# Altium PCB galileo_cleaned.PcbDoc (part 2 of 10) (continued)
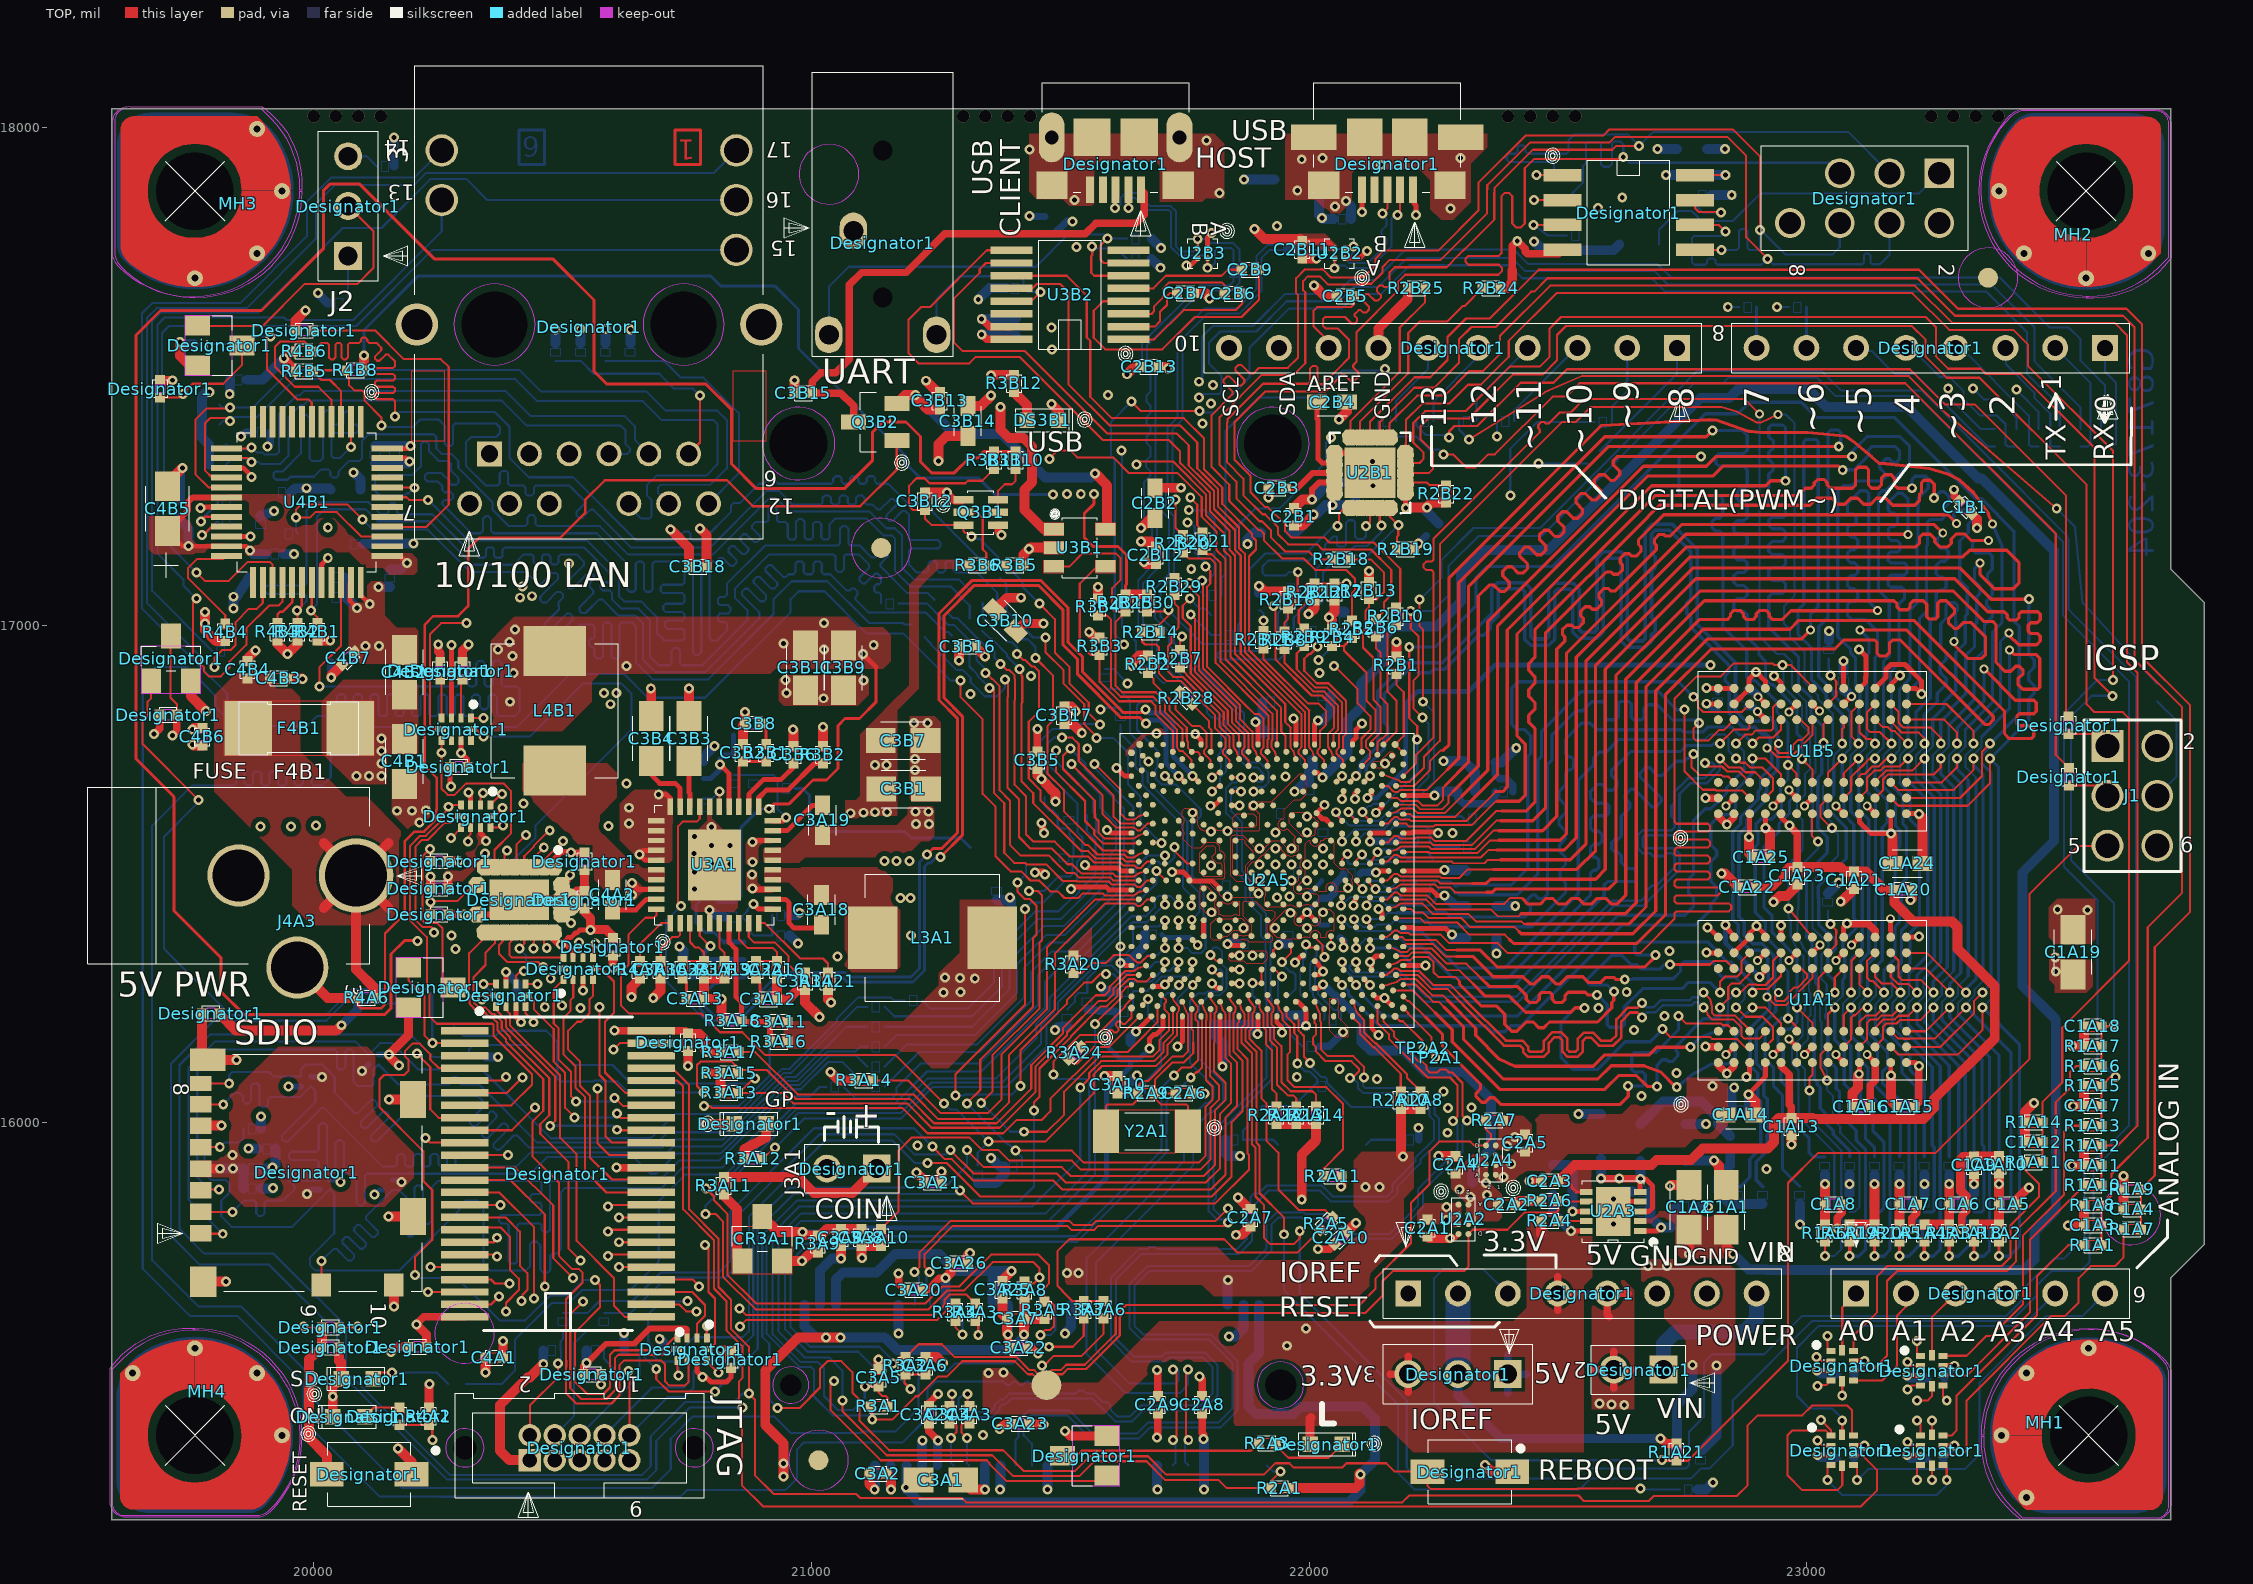
[diagram p0: TOP view]
## Footprints (in the part's own frame and the unit in brackets; to place one, negate y for a bottom-side part, rotate by r counter-clockwise, add the part's x,y. Pads: shape width x height; smd on the part's side, far side on the other; paste and mask are expansions set on the pad) (continued)
  round 60 smd: 1(0,-30) 2(0,30)
  silkscreen extent -28,-30 28,30
SMY2414_2P [mil] "SMY2414_2P"
  round 60 smd: 1(88.68,0) 2(-88.68,0)
  TOP keep-out region: 122.05,72.83 122.05,-72.83 -122.05,-72.83 -122.05,72.83 122.05,72.83
  silkscreen extent -122,-73 122,73
SMY_FC255 [mil] "SMY_FC255"
  rect 52x87 smd: 1(-82.68,0) 2(82.68,0)
  TOP lines w1: 56.68,43.5 56.68,-43.5 -56.68,-43.5 -56.68,43.5 56.68,43.5
  silkscreen extent -150,-37 45,37
SOI8_50IN_213X210 [mil] "SOI8_50IN_213X210"
  rect 76x25 smd: 1(-133,75) 2(-133,25) 3(-133,-25) 4(-133,-75) 5(133,-75) 6(133,-25) 7(133,25) 8(133,75)
  silkscreen extent -168,-105 82,129
SOT23#1 [mil] "SOT23"
  rect 50x40 smd: 1(-45,40) 2(-45,-40) 3(45,0)
  TOP lines w1: -70,60 25,60 25,-60 -70,-60 -70,60
  silkscreen extent -25,-60 25,60
SOT23#2 [mil] "SOT23"
  round 60 smd: 1(45,-40) 2(45,40) 3(-45,0)
  TOP keep-out region: -25,60 -25,-60 70,-60 70,60 -25,60
  silkscreen extent -25,-60 25,60
SOT23#3 [mil] "SOT23"
  rect 50x40 smd: 1(-45,40) 2(-45,-40) 3(45,0)
  TOP keep-out region: 25,-60 25,60 -70,60 -70,-60 25,-60
  silkscreen extent -25,-60 25,60
SOT23_5P [mil] "SOT23_5P"
  rect 40x25 smd: 1(-52,37.5) 2(-52,0) 3(-52,-37.5) 4(52,-37.5) 5(52,37.5)
  Multi-Layer lines w1: -72,-50 -72,-25 -32,-25 -32,-50 -72,-50 ; -72,-12.5 -72,12.5 -32,12.5 -32,-12.5 -72,-12.5 ; -72,25 -72,50 -32,50 -32,25 -72,25 ; 32,-50 32,-25 72,-25 72,-50 32,-50 ; 32,25 32,50 72,50 72,25 32,25
  silkscreen extent -60,-60 35,77
SOT23B [mil] "SOT23B"
  rect 50x30 smd: 1(-43.5,37.5) 2(-43.5,-37.5) 3(43.5,0)
  silkscreen extent -69,-60 30,96
SOT363 [mil] "SOT363"
  rect 40x15 smd: 1(-35,25.6) 2(-35,0) 3(-35,-25.6) 4(35,-25.6) 5(35,0) 6(35,25.6)
  silkscreen extent -90,-44 26,44
SPOKE_N156_CNR_PKG_2_7 [mil] "SPOKE_N156_CNR_PKG_2_7"
  round 40 hole 156: 1(-22.54,-25.06)
  round 32 hole 14: 3(-147.54,99.94) 4(-22.54,149.94) 5(102.46,99.94) 6(152.46,-25.06)
  TOP region: 156 vertices and 0 holes, not listed, extent -172.54,-174.06 170.46,167.94
  TOP keep-out region: -22.54,189.94 -22.54,189.94 -3.8,189.12 14.79,186.67 33.11,182.61 50.99,176.97 68.32,169.79 84.96,161.13 100.78,151.05 115.66,139.64 129.49,126.96 142.16,113.14 153.58,98.25 163.66,82.44 172.32,65.8 179.49,48.47 185.13,30.58 189.19,12.27 191.64,-6.33 192.46,-25.06 192.46,-25.06 191.63,-44.01 189.16,-62.81 185.05,-81.33 179.35,-99.42 172.09,-116.94 163.33,-133.76 153.14,-149.76 141.6,-164.8 131.46,-176.06 131.46,-176.06 128.22,-179.14 124.73,-181.91 121.01,-184.38 117.09,-186.51 113,-188.29 108.77,-189.71 107.46,-190.06 -160.54,-190.06 -160.54,-190.06 -163.34,-189.94 -166.12,-189.58 -168.86,-188.97 -171.53,-188.13 -174.12,-187.05 -176.6,-185.76 -178.97,-184.25 -181.19,-182.55 -183.26,-180.65 -185.15,-178.59 -186.86,-176.36 -188.36,-174 -189.66,-171.51 -190.73,-168.92 -191.57,-166.25 -192.18,-163.51 -192.55,-160.74 -192.67,-157.93 -192.55,-155.13 -192.54,-155.06 -192.54,109.94 -189.54,113.94 -189.54,113.94 -179.03,126.75 -167.43,138.6 -154.86,149.39 -141.38,159.05 -127.12,167.49 -112.18,174.66 -96.66,180.5 -80.7,184.97 -64.41,188.03 -47.91,189.65 -37.54,189.94 -24.54,189.94 -24.54,185.94 -27.54,185.94 -27.54,185.94 -45,185.17 -62.34,182.89 -79.4,179.11 -96.07,173.85 -112.22,167.16 -127.73,159.09 -142.47,149.7 -156.34,139.06 -169.23,127.25 -169.24,127.24 -188.54,107.94 -188.54,-161.06 -188.54,-161.06 -188.44,-163.24 -188.16,-165.41 -187.69,-167.53 -187.03,-169.61 -186.2,-171.63 -185.19,-173.56 -184.02,-175.4 -182.69,-177.13 -181.22,-178.74 -179.61,-180.22 -177.88,-181.54 -176.04,-182.71 -174.11,-183.72 -172.09,-184.56 -170.01,-185.21 -167.88,-185.68 -165.72,-185.97 -163.54,-186.06 106.46,-186.06 112.46,-184.06 112.46,-184.06 115.75,-182.8 118.91,-181.26 121.93,-179.45 124.78,-177.39 127.44,-175.08 127.46,-175.06 127.46,-175.06 139.53,-162.56 150.47,-149.06 160.18,-134.65 168.61,-119.46 175.68,-103.58 181.33,-87.15 185.54,-70.29 188.26,-53.13 189.47,-35.79 189.46,-25.06 189.46,-25.06 188.11,-6.17 185.12,12.53 180.51,30.89 174.31,48.79 166.58,66.08 157.38,82.63 146.76,98.31 134.82,113.01 121.64,126.61 107.33,139.01 91.99,150.12 75.75,159.85 58.71,168.12 41.02,174.88 22.81,180.07 4.21,183.66 -14.62,185.61 -22.54,185.94 -22.54,189.94
  BOTTOM region: -22.54,172.94 -22.54,172.94 -5.37,172.19 11.67,169.94 28.45,166.22 44.84,161.06 60.72,154.48 75.96,146.54 90.45,137.31 104.09,126.85 116.76,115.24 128.37,102.57 138.83,88.93 148.07,74.44 156,59.19 162.58,43.31 167.75,26.92 171.47,10.14 173.71,-6.89 174.46,-24.06 174.46,-25.06 174.46,-25.06 173.68,-42.96 171.34,-60.73 167.46,-78.22 162.07,-95.31 155.22,-111.86 146.94,-127.75 137.32,-142.86 126.41,-157.08 117.46,-167.06 117.46,-167.06 114.6,-169.81 111.5,-172.29 108.2,-174.5 104.73,-176.41 101.1,-178 97.34,-179.28 93.49,-180.23 89.57,-180.83 86.46,-181.06 -115.54,-181.06 -115.54,-181.06 -121.12,-180.82 -126.65,-180.09 -132.1,-178.88 -137.43,-177.2 -142.59,-175.07 -147.54,-172.49 -152.25,-169.49 -156.68,-166.09 -160.79,-162.32 -164.57,-158.2 -167.97,-153.77 -170.97,-149.06 -173.54,-144.11 -175.68,-138.95 -177.36,-133.63 -178.57,-128.18 -179.3,-122.64 -179.54,-117.06 -179.54,51.94 -179.54,51.94 -179.14,61.06 -177.95,70.11 -175.97,79.03 -173.23,87.74 -169.73,96.17 -165.52,104.28 -160.61,111.98 -155.05,119.22 -148.88,125.95 -142.15,132.12 -134.9,137.68 -134.54,137.94 -134.54,137.94 -120.07,147.07 -104.86,154.91 -89.02,161.4 -72.68,166.48 -55.96,170.11 -38.99,172.28 -25.54,172.94 -24.54,172.94 -24.54,84.94 -45.54,84.94 -45.54,126.94 -61.54,123.94 -93.54,110.94 -113.54,98.94 -83.54,67.94 -115.54,35.94 -151.54,71.94 -155.54,56.94 -155.54,-2.06 -132.54,-2.06 -132.54,-48.06 -154.54,-48.06 -154.54,-113.06 -151.54,-122.06 -115.54,-86.06 -83.54,-118.06 -119.54,-154.06 -106.54,-157.06 -44.54,-157.06 -44.54,-135.06 -0.54,-135.06 -0.54,-157.06 59.46,-157.06 74.46,-154.06 38.46,-118.06 70.46,-86.06 101.46,-117.06 116.46,-90.06 124.46,-69.06 128.46,-48.06 87.46,-48.06 87.46,-2.06 127.46,-2.06 123.46,20.94 110.46,50.94 100.46,65.94 70.46,35.94 38.46,67.94 68.46,97.94 42.46,112.94 16.46,122.94 0.46,125.94 0.46,84.94 -22.54,84.94 -22.54,172.94
  BOTTOM keep-out region: -22.54,189.94 -22.54,189.94 -3.8,189.12 14.79,186.67 33.11,182.61 50.99,176.97 68.32,169.79 84.96,161.13 100.78,151.05 115.66,139.64 129.49,126.96 142.16,113.14 153.58,98.25 163.66,82.44 172.32,65.8 179.49,48.47 185.13,30.58 189.19,12.27 191.64,-6.33 192.46,-25.06 192.46,-25.06 191.63,-44.02 189.16,-62.83 185.05,-81.36 179.34,-99.45 172.08,-116.98 163.32,-133.81 153.13,-149.82 141.57,-164.87 132.46,-175.06 132.46,-175.06 129.01,-178.38 125.29,-181.38 121.32,-184.05 117.14,-186.36 112.76,-188.29 108.24,-189.84 107.46,-190.06 -162.54,-190.06 -162.54,-190.06 -165.19,-189.95 -167.81,-189.6 -170.4,-189.03 -172.92,-188.23 -175.37,-187.22 -177.72,-186 -179.95,-184.57 -182.05,-182.96 -184.01,-181.17 -185.79,-179.22 -187.41,-177.12 -188.83,-174.89 -190.05,-172.54 -191.07,-170.09 -191.86,-167.56 -192.44,-164.98 -192.78,-162.35 -192.9,-159.71 -192.78,-157.06 -192.54,-155.06 -192.54,109.94 -188.54,114.94 -188.54,114.94 -177.04,128.09 -164.44,140.19 -150.84,151.14 -136.33,160.87 -121.02,169.3 -105.04,176.36 -88.51,182 -71.55,186.17 -54.29,188.86 -36.86,190.03 -24.54,189.94 -24.54,185.94 -26.54,185.94 -26.54,185.94 -44.6,185.15 -62.53,182.79 -80.18,178.87 -97.42,173.44 -114.12,166.52 -130.16,158.17 -145.4,148.46 -159.75,137.45 -173.07,125.24 -185.29,111.91 -188.54,107.94 -188.54,-160.06 -188.54,-160.06 -188.44,-162.33 -188.15,-164.58 -187.65,-166.79 -186.97,-168.96 -186.1,-171.05 -185.06,-173.06 -183.84,-174.98 -182.46,-176.78 -180.92,-178.45 -179.25,-179.98 -177.45,-181.36 -175.54,-182.58 -173.53,-183.63 -171.43,-184.5 -169.27,-185.18 -167.05,-185.67 -164.81,-185.97 -162.54,-186.06 106.46,-186.06 109.46,-185.06 109.46,-185.06 113.2,-183.63 114.46,-183.06 114.46,-183.06 119.08,-180.64 123.47,-177.83 127.6,-174.64 130.46,-172.06 130.46,-172.06 142.06,-159.91 152.55,-146.79 161.86,-132.8 169.92,-118.06 176.66,-102.67 182.03,-86.75 185.99,-70.42 188.52,-53.81 189.59,-37.05 189.46,-25.06 189.46,-25.06 187.81,-5.91 184.51,13.04 179.56,31.62 173.01,49.7 164.91,67.14 155.32,83.81 144.32,99.57 131.98,114.32 118.41,127.94 103.7,140.33 87.96,151.38 71.33,161.02 53.91,169.18 35.85,175.78 17.29,180.79 -1.64,184.16 -20.8,185.86 -22.54,185.94 -22.54,189.94
  silkscreen extent -83,-85 37,35
SSOP16_65MM [mil] "SSOP16_65MM"
  rect 85x15 smd: 1(-117.5,89.55) 2(-117.5,63.95) 3(-117.5,38.35) 4(-117.5,12.75) 5(-117.5,-12.85) 6(-117.5,-38.45) 7(-117.5,-64.05) 8(-117.5,-89.65) 9(117.5,-89.65) 10(117.5,-64.05) 11(117.5,-38.45) 12(117.5,-12.85) 13(117.5,12.75) 14(117.5,38.35) 15(117.5,63.95) 16(117.5,89.55)
  silkscreen extent -127,-110 63,134
SSOP48_30_25IA [mil] "SSOP48_30_25IA"
  rect 95x15 smd: 1(-187.5,287.5) 2(-187.5,262.5) 3(-187.5,237.5) 4(-187.5,212.5) 5(-187.5,187.5) 6(-187.5,162.5) 7(-187.5,137.5) 8(-187.5,112.5) 9(-187.5,87.5) 10(-187.5,62.5) 11(-187.5,37.5) 12(-187.5,12.5) 13(-187.5,-12.5) 14(-187.5,-37.5) 15(-187.5,-62.5) 16(-187.5,-87.5) 17(-187.5,-112.5) 18(-187.5,-137.5) 19(-187.5,-162.5) 20(-187.5,-187.5) 21(-187.5,-212.5) 22(-187.5,-237.5) 23(-187.5,-262.5) 24(-187.5,-287.5) 25(187.5,-287.5) 26(187.5,-262.5) 27(187.5,-237.5) 28(187.5,-212.5) 29(187.5,-187.5) 30(187.5,-162.5) 31(187.5,-137.5) 32(187.5,-112.5) 33(187.5,-87.5) 34(187.5,-62.5) 35(187.5,-37.5) 36(187.5,-12.5) 37(187.5,12.5) 38(187.5,37.5) 39(187.5,62.5) 40(187.5,87.5) 41(187.5,112.5) 42(187.5,137.5) 43(187.5,162.5) 44(187.5,187.5) 45(187.5,212.5) 46(187.5,237.5) 47(187.5,262.5) 48(187.5,287.5)
  silkscreen extent -250,-315 150,323
SSW2RPB [mil] "SSW2RPB"
  rect 49x68 smd: 1(0,85) 2(0,-85)
  silkscreen extent -64,-84 64,139
TEST_PAD_S20 [mil] "TEST_PAD_S20"
  round 60 smd: 1(0,0)
  silkscreen extent -20,-20 20,20
TQFN20_4X4_05MM_EP [mm] "TQFN20_4X4_05MM_EP"
  oct 0.846x0.846 smd rot 93: 1(-1.804,1) 2(-1.804,0.5) 3(-1.804,0) 4(-1.804,-0.5) 5(-1.804,-1) 6(-1,-1.804) 7(-0.5,-1.804) 8(0,-1.804) 9(0.5,-1.804) 10(1,-1.804) 11(1.804,-1) 12(1.804,-0.5) 13(1.804,0) 14(1.804,0.5) 15(1.804,1) 16(1,1.804) 17(0.5,1.804) 18(0,1.804) 19(-0.5,1.804) 20(-1,1.804)
  rect 2.591x2.591 smd: 21(0,0)
  silkscreen extent -3.5,-2.05 2.05,2.05
VIA_18-10-28_SMB_T-POINT [mil] "VIA_18-10-28_SMB_T-POINT"
  round 18 hole 10: 1(0,0)

## Free pads (board coordinates)
  round 60 smd far side: ""(20303,15577) ""(21035,17906) ""(23651,15815)
  round 40 smd: ""(21014,15322) ""(21140,17155) ""(23364,17698)

## Via types
v1: diameter 20, hole 10, TOP to BOTTOM, 1096 vias
v2: diameter 18, hole 10, TOP to BOTTOM, 43 vias
v3: diameter 25, hole 25, TOP to BOTTOM, 16 vias

## Nets (pads, with @x,y where several pads share a name; then routed paths per layer and width w, separated by ;. In a path a pad name is that pad's centre, name@x,y a point inside that pad or via, vN(x,y) a via of type N, cw(c..) or ccw(c..) an arc to the next point about the centre after c; other vN are vias at no path point)
A0_GPIO:  | length 3486.6
  TOP w4.2: 20303,15835 v1(20375,15835) ; v1(23019,15529) 23022,15529 23029.16,15521.84 23048.5,15521.84
  LYR_2 w6.5: v1(20375,15835) 20303,15763 20303,15515 20388,15430 20802,15430 20865,15493 20883,15493 21005,15615 22007,15615 22063,15559 22879,15559 22997,15441 23029,15441 23050,15462 23050,15520 23041,15529 v1(23019,15529)
A0_MUX:  | length 3306.6
  TOP w4.2: v1(20591,15832) 20594,15835 20678,15835 ; v1(23041,15572) 23041,15549.03 23048.5,15541.53
  LYR_1 w6.5: v1(20591,15832) 20659,15832 20716,15889 20716,16165 20727,16176 20975,16176 20985,16166 20985,15858 21045,15798 21769,15798 21896,15671 22047,15671 22138,15580 23033,15580 v1(23041,15572)
A0_N: R2M5.1 | length 3014.5
  TOP w4.2: 19691,17457.5 19691.5,17457 19730,17457 v1(19737,17464) 19737,17466 19756,17485 19818,17485 19856,17523 19856,17562
  LYR_2 w6.5: v1(19737,17464) 19773,17500 20779,17500 20815,17464 21049,17464 21112,17401 21721,17401 21807,17315 21807,17220 21581,16994 v1(21581,16830)
  BOTTOM w4.2: v1(21581,16830) 21585,16834 R2M5.1@21621,16834
A0_N_R: R2M5.2 U2A5.J15 | length 438
  TOP w4.2: v1(21763,16437) 21765.8,16439.8 U2A5.J15@21765.8,16453
  BOTTOM w4.2: R2M5.2@21621,16799 21621,16781.82 21651,16751.82 21651,16715 21665,16701 21665,16679 21746,16598 21746,16473 21763,16456 v1(21763,16437)
A1_GPIO:  | length 3225.2
  TOP w4.2: 20303,15860 20372.77,15860 20442,15790.77 v1(20442,15647) ; v1(23021,15471) 23023,15473 23039.03,15473 23048.5,15482.47
  LYR_2 w6.5: v1(20442,15647) 20442,15502 20488,15456 20722,15456 20780,15514 20804.6,15514 20805.85,15515.25 20820.15,15515.25 20821.4,15514 20889,15514 21003,15628 22020,15628 22075,15573 22921,15573 23021,15473 v1(23021,15471)
A1_MUX:  | length 3467
  TOP w4.2: v1(20613,15810) 20678,15810 ; v1(23071,15452) 23071,15481
  LYR_1 w6.5: v1(20613,15810) 20576,15810 20567,15819 20567,15854 20574,15861 20658,15861 20701.99,15905 20701.99,16167 20726,16191 20979,16191 21081,16089 21081,15893 21135,15839 21758,15839 21881,15716 22628,15716 22652,15692 22951,15692 23071,15572 v1(23071,15452)
A2_GPIO:  | length 3280.2
  TOP w4.2: 20303,15885 20395,15885 20464,15816 v1(20464,15671) ; v1(23202,15519) 23209.16,15511.84 23228.5,15511.84
  LYR_2 w6.5: v1(20464,15671) 20464,15636 20572,15528 20808.6,15528 20809.85,15526.75 20824.15,15526.75 20825.4,15528 20888,15528 21001,15641 22025,15641 22078,15588 22968,15588 23009,15547 23136,15547 23164,15519 v1(23202,15519)
A2_MUX:  | length 3514
  TOP w4.2: v1(20591,15782) 20594,15785 20678,15785 ; v1(23221,15562) 23221,15539.03 23228.5,15531.53
  LYR_1 w6.5: v1(20591,15782) 20583,15782 20553,15812 20553,15859 20568,15874 20635,15874 20689.5,15928.5 20689.5,16169.5 20724,16204 20984,16204 21181,16007 21181,15905.6 21205.6,15881 21276,15881 21283,15888 21353,15888 21360,15881 21909,15881 22041,15749 22546,15749 22560,15763 22900,15763 23101,15562 v1(23221,15562)
A3_GPIO:  | length 3450.1
  TOP w4.2: 20303,15910 20405,15910 20481,15834 20481,15728 v1(20521,15688) ; v1(23202,15464) 23202,15464.27 23210.2,15472.47 23228.5,15472.47
  LYR_2 w6.5: v1(20521,15688) 20521,15617 20595,15543 20727,15543 20744,15560 20799.85,15560 20806.85,15567 20828,15567 20835,15560 20901,15560 20997,15656 22028,15656 22082,15602 23229,15602 23246,15585 23246,15508 v1(23202,15464)
A3_MUX:  | length 3776.9
  TOP w4.2: v1(20613,15760) 20678,15760 ; v1(23221,15442) 23242.8,15442 23251,15450.2 23251,15471
  LYR_1 w6.5: v1(20613,15760) 20584,15760 20535,15809 20535,15867 20560,15892 20627,15892 20675.5,15940.5 20675.5,16171.5 20722,16218 20986,16218 21052,16152 21311,16152 21381,16082 21381,15948.6 21433.6,15896 22330.15,15896 22369.15,15935 22748,15935 23091,15592 23221,15592 23239,15574 23239,15527 23221,15509 v1(23221,15442)
A4_ADC_GPIO:  | length 370.8
  TOP w4.2: v1(23021,15362) 23031.16,15351.84 23048.5,15351.84 ; 23251,15373 v1(23251,15402)
  LYR_1 w6.5: v1(23021,15362) 23036,15362 23048,15374 23048,15416 23061,15429 23121,15429 23168,15382 23231,15382 v1(23251,15402)
A4_GPIO:  | length 3729.5
  TOP w4.2: v1(20224,15969) 20233,15960 20303,15960 ; v1(23202,15359) 23209.16,15351.84 23228.5,15351.84
  LYR_2 w6.5: v1(20224,15969) 20224,15829 20270.5,15782.5 20270.5,15525.5 20378,15418 20809,15418 20873,15482 20890,15482 21012,15604 21943,15604 22002,15545 22864,15545 22986,15423 23120,15423 23184,15359 v1(23202,15359)
A4_MUX:  | length 3966.1
  TOP w4.2: v1(20591,15732) 20594,15735 20678,15735 ; v1(23221,15402) 23228.5,15394.5 23228.5,15371.53
  LYR_1 w6.5: v1(20591,15732) 20518,15805 20518,15872 20579,15933 20643,15933 20663,15953 20663,16174 20720,16231 21023,16231 21082,16172 21361,16172 21471,16062 21471,15955 21474,15955 21518,15911 22310,15911 22393,15994 22430,15994 22469,15955 22832,15955 22958,15829 23114,15829 23250,15693 23250,15605 23258,15597 23258,15503 23244,15489 23244,15425 v1(23221,15402)
A5_ADC_GPIO:  | length 337.9
  TOP w4.2: v1(23041,15282) 23041,15304.97 23048.5,15312.47 ; 23273.5,15312.47 23281,15304.97 v1(23281,15282)
  BOTTOM w4.2: v1(23041,15282) 23071,15252 23261,15252 23281,15272 v1(23281,15282)
A5_GPIO:  | length 3863.4
  TOP w4.2: 20303,15985 20398,15985 v1(20444,16031) ; v1(23221,15282) 23221,15304.97 23228.5,15312.47
  LYR_2 w6.5: v1(20444,16031) 20473,16031 20506,15998 20506,15803 20562,15747 20562,15718 20658,15622 20700.79,15622 20749.79,15573 20798,15573 20804,15579 20836,15579 20842,15573 20897,15573 20992,15668 21552,15668 21589,15705 22315,15705 22347,15673 22347,15645 22376,15616 23290,15616 23323,15583 23323,15418 23239,15334 23239,15313 23221,15295 v1(23221,15282)
A5_MUX:  | length 4142
  TOP w4.2: v1(20613,15710) 20678,15710 ; v1(23251,15282) 23251,15311
  LYR_1 w6.5: v1(20613,15710) 20586,15710 20495,15801 20495,15868 20575,15948 20626,15948 20652,15974 20652,16179 20740,16267 21138,16267 21215,16190 21449,16190 21678,15961 22340,15961 22398,16019 22493,16019 22538,15974 22902,15974 23021,15855 23194,15855 23264,15785 23264,15612 23273,15603 23273,15496 23260,15483 23260,15430 23269,15421 23269,15341.8 23251,15323.8 v1(23251,15282)
ADC_RST_M: R2B22.2 U2B1.17 | length 84.2
  TOP w4.2: U2B1.17@22193.02,17286.31 22236.68,17286.32 22242,17281 R2B22.2@22275,17281
AGND_VCC: C1M7.2 C1M8.2 R1M6.2 U4B1.15 U4B1.19 | length 224.9
  TOP w10: v1(19772,17235) 19774.16,17237.16 U4B1.19@19824.58,17237.16 ; U4B1.15@19824.58,17315.9 19858.1,17315.9 19875,17299 v1(19875,17298)
  BOTTOM w20: C1M7.2@19893,17220 v1(19920,17229) ; C1M8.2@19954,17267 19962,17275 v1(19985,17275) 19985.32,17274.68 20031.32,17274.68 R1M6.2@20034,17272
ANALOG_A0:  | length 125.6
  TOP w4.2: 23071,15543 23071,15629 23099,15657
ANALOG_A1:  | length 252.6
  TOP w4.2: 23093.5,15482.47 23093.97,15482 23151,15482 23181,15512 23181,15612 23199,15630 23199,15657
ANALOG_A2:  | length 143.9
  TOP w4.2: 23251,15533 23251,15609 23299,15657
ANALOG_A3:  | length 297.5
  TOP w4.2: 23273.5,15472.47 23273.5,15449.5 v1(23281,15442)
  LYR_1 w6.5: v1(23281,15442) 23316,15477 23316,15574 23399,15657
ANALOG_A4:  | length 5192.7
  TOP w4.2: 23071,15373 v1(23071,15402)
  LYR_1 w6.5: 21939,17557 22080,17698 23203,17698 23250,17651 23250,17535 23272,17513 23456,17513 23477,17492 23477,16964 23411,16898 23411,15812 23434,15789 23434,15630 23340,15536 23340,15307 23295,15262 23202,15262 23146,15318 23146,15374 23118,15402 v1(23071,15402)
  BOTTOM w4.2: v1(23071,15402) 23071,15406 23051,15426 23005,15426 22980,15451 22980,15548 23024,15592 23434,15592 23499,15657
ANALOG_A5:  | length 5277.8
  TOP w4.2: 23093.5,15312.47 23101,15304.97 v1(23101,15282)
  LYR_1 w6.5: 21839,17557 21878,17557 21936,17615 21979,17615 22077,17713 23205,17713 23317,17601 23524,17601 23543,17582 23543,16981 23429,16867 23429,15953 23473,15909 23473,15796 23461,15784 23461,15631 23354,15524 23354,15300 23304,15250 23133,15250 v1(23101,15282)
  BOTTOM w4.2: v1(23101,15282) 23123,15304 23317,15304 23347,15334 23347,15478 23481,15612 23554,15612 23599,15657
AREF: C2B5.1 | length 189.8
  TOP w4.2: 22039,17557 22039,17570 22009,17600 22009,17632 22016,17639 22083.9,17639 22090,17645.1 C2B5.1@22090,17661
AT25_HOLD_N: R4M2.2 | length 150.2
  TOP w4.2: 22775,17854 22775,17838 22783,17830 22826,17830 v1(22827,17829)
  BOTTOM w4.2: R4M2.2@22773,17864 22773,17847 22791,17829 v1(22827,17829)
AT25_WP_N: R3M15.2 | length 132
  TOP w4.2: v1(22451,17804) 22509,17804
  BOTTOM w4.2: v1(22451,17804) 22479,17783 R3M15.2@22518,17783
AVIN0: C1A12.1 R1A11.2 R1A14.1 U2B1.18 | length 3260.5
  TOP w4.2: U2B1.18@22193.02,17306 22241,17306 22249,17314 22249,17348 22224,17373 22224,17400 22239,17415 22321,17415 22410,17504 22470,17504 22498,17532 22498,17583 22516,17601 23211,17601 23238,17574 23238,17540 23281,17497 23346.92,17497 23562,17281.92 23562,16841 23578,16825 23635,16825 23647,16813 23647,16325 23513,16191 23513,16081 23473,16041 R1A14.1@23473,16001 C1A12.1@23473,15961 R1A11.2@23473,15921
AVIN0_R: R1A11.1 | length 680.1
  TOP w4.2: 23093.5,15541.53 23093.5,15572 23141,15619.5 23141,15692 23161,15712 23391,15712 23409,15730 23409,15794 23466,15851 23466,15878 23438,15906 R1A11.1@23438,15921
AVIN1: C1A18.1 R1A16.2 R1A17.1 U2B1.19 | length 3130.7
  TOP w4.2: U2B1.19@22193.02,17325.69 22221.54,17325.69 22230,17334.14 22230,17346 22209,17367 22209,17406 22233,17430 22314,17430 22404,17520 22464,17520 22483,17539 22483,17596 22506,17619 23239,17619 23259,17599 23259,17540 23284,17515 23349,17515 23359,17505 23429,17505 23578.2,17355.8 23578.2,16893.8 v1(23614,16858) ; R1A16.2@23592,16114 R1A17.1@23592,16154 C1A18.1@23592,16194 23614.77,16194 v1(23617.38,16196.61)
  BOTTOM w4.2: v1(23614,16858) 23572,16858 23531,16817 23531,16527 23617.38,16440.62 v1(23617.38,16196.61)
AVIN1_R: R1A16.1 | length 964.3
  TOP w4.2: 23093.5,15502.16 23093.66,15502 23131,15502 23161,15532 23161,15682 23181,15702 23401,15702 23420,15721 23420,15783 23500,15863 23500,16041 23529,16070 23529,16102 23541,16114 R1A16.1@23557,16114
AVIN2: C1A17.1 R1A13.2 R1A15.1 U2B1.20 | length 3244.2
  TOP w4.2: U2B1.20@22193.02,17345.37 22193.02,17362.58 22194.44,17364 22194.44,17412.44 22227,17445 22281,17445 22319,17483 22345,17483 22400.97,17538.97 22400.97,17571 22496.97,17667 23212,17667 23285.9,17593.1 23414.9,17593.1 23444,17564 23444,17521 23615,17350 v1(23615,16890) ; R1A13.2@23592,15994 C1A17.1@23592,16034 R1A15.1@23592,16074 23609.88,16091.89 v1(23620.12,16091.89)
  BOTTOM w4.2: v1(23615,16890) 23583.92,16890 23516.8,16822.88 23516.8,16514 23584,16446.8 23584,16128 v1(23620.12,16091.89)
AVIN2_R: R1A13.1 | length 629.7
  TOP w4.2: 23273.5,15531.53 23273.97,15532 23321,15532 23361,15572 23371,15572 23434,15635 23434,15773 23517,15856 23517,15982 23529,15994 R1A13.1@23557,15994
AVIN3: C1A11.1 R1A10.2 R1A12.1 U2B1.1 | length 3453.6
  TOP w4.2: U2B1.1@22161.37,17377.02 22161.37,17405.55 22216.82,17461 22272,17461 22321,17510 22349,17510 22383,17544 22383,17581 22484,17682 23217.08,17682 23291.78,17607.3 23618.7,17607.3 23643,17583 23643,16925.84 23664,16904.84 23664,15994 23624,15954 R1A12.1@23592,15954 C1A11.1@23592,15914 R1A10.2@23592,15874
AVIN3_R: R1A10.1 | length 527.3
  TOP w4.2: 23273.5,15492.16 23273.66,15492 23320.92,15492 23448.2,15619.28 23448.2,15765.2 R1A10.1@23557,15874
AVIN4: C1A3.1 R1A1.2 R1A8.1 U2B1.2 | length 3686.8
  TOP w4.2: U2B1.2@22141.69,17377.02 22141.69,17407.6 22211.09,17477 22251,17477 22301,17527 22301,17574 22326,17599 22375,17599 22446,17670 22451.91,17670 22478.91,17697 23222.16,17697 23297.66,17621.5 23635.5,17621.5 23658,17599 23658,16930.92 23754,16834.92 23754,16462 23684.8,16392.8 23684.8,15969.8 23612,15897 23612,15854 R1A8.1@23592,15834 C1A3.1@23592,15794 R1A1.2@23592,15754
AVIN4_R: R1A1.1 | length 528.6
  TOP w4.2: 23273.5,15371.53 23290.53,15371.53 23301,15382 23301,15452 23462.4,15613.4 23462.4,15691.4 23525,15754 R1A1.1@23557,15754
AVIN5: C1A4.1 R1A7.2 R1A9.1 U2B1.3 | length 3681.1
  TOP w4.2: U2B1.3@22122,17377.02 22122,17408 22212,17498 22243.16,17498 22277.95,17532.79 22277.95,17579 22314.95,17616 22363,17616 22461,17714 23225.25,17714 23303.55,17635.7 23642.3,17635.7 23673,17605 23673,16936 23770,16839 23770,16424 23699,16353 23699,15894 R1A9.1@23671,15866 C1A4.1@23671,15826 R1A7.2@23671,15786
AVIN5_R: R1A7.1 | length 671.2
  TOP w4.2: 23273.5,15332.16 23311.16,15332.16 23321,15342 23321,15442 23491,15612 23519,15612 23546,15639 23546,15688 23570,15712 23619,15712 23636,15729 R1A7.1@23636,15786
AVIN6: R2B24.1 U2B1.4 | length 436.3
  TOP w4.2: U2B1.4@22102.31,17377.02 22102.31,17409.31 22199,17506 22199,17587 22222,17610 22277,17610 22308,17641 22312,17641 R2B24.1@22348,17677
AVIN7: R2B25.1 U2B1.5 | length 362.3
  TOP w4.2: U2B1.5@22082.63,17377.02 22082.63,17409.71 22182,17509.08 22182,17598 22233,17649 R2B25.1@22233,17677
BAT_DIO: CR3A1.1 R3A11.1 | length 149.3
  TOP w20: R3A11.1@20824,15856 20824,15853 20850,15827 20850,15733 CR3A1.1@20861,15722
BAT_POS: R3A11.2 | length 340.6
  TOP w20: R3A11.2@20824,15891 20973,15891 21005,15859 21082,15859 21131,15908
BST1_1: C3A18.2 U3A1.12 | length 148.7
  TOP w10: U3A1.12@20921.88,16449.1 20948,16449.1 20955,16442.1 20955,16401 20964.5,16391.5 21013.5,16391.5 C3A18.2@21020,16398
BST1_2: C3A19.2 U3A1.19 | length 121.3
  TOP w10: U3A1.19@20921.88,16586.9 20950.9,16586.9 21002,16638 C3A19.2@21022,16638
BST1_3: C4A2.2 U3A1.39 | length 96.9
  TOP w10: C4A2.2@20600,16428 20647,16428 20668.1,16449.1 U3A1.39@20688.12,16449.1
BST_V1P0_S0: C4A2.1 L4B1.1 U3A1.36 U3A1.37
BST_V1P5_S5: C3A19.1 L2M1.1 U3A1.16 U3A1.17
  other v1: 21210,16600 21236,16600 21209,16625 21235,16625
BST_V3P3_S5: C3A18.1 L3A1.1 U3A1.14 U3A1.15
CKSYS25OUT: R3L13.1 U2A5.W7 | length 193.2
  TOP w4.2: U2A5.W7@21927.67,16308.26 21930.74,16308.26 v1(21945,16294)
  BOTTOM w4.2: v1(21945,16294) 21937,16286 21937,16201 21940.9,16197.1 21951.67,16197.1 21961.1,16187.67 21961.1,16178.9 R3L13.1@21986,16154
CLN_IO2_PU_EN: R2B20.1 | length 1674.3
  TOP w4.2: 20315.53,16813.5 v1(20341,16813.5) ; v1(21731,17252) 21731,17196 R2B20.1@21746,17181
  LYR_2 w6.5: v1(20341,16813.5) 20349.5,16822 20430,16822 20620,17012 20886,17012 21061,17187 21279,17187 21322,17230 21573,17230 21595,17252 v1(21731,17252)
CLN_IO2_PU_EN_R: R2B20.2 U2A5.V34 | length 497.9
  TOP w4: U2A5.V34@21916,16745.41 21916,16769.45 21918,16771.45 21918,16818.4 21916,16820.4
  TOP w4.2: R2B20.2@21746,17146 21757.9,17134.1 21801,17134.1 21812,17123.1 21812,16924.4 21916,16820.4
CLN_IO3_PU_EN: R2B21.1 | length 2117
  TOP w4.2: 20255,16791 20242,16791 20233,16800 20233,16981 20256,17004 v1(20307,17004) ; v1(21761,17256) 21775,17242 21775,17201 21786,17190 R2B21.1@21786,17186
  LYR_2 w6.5: v1(20307,17004) 20478,17175 20562,17175 20611,17126 20866,17126 21101,17361 21530,17361 21563,17328 21629,17328 21651,17350 21739,17350 21761,17328 v1(21761,17256)
CLN_IO3_PU_EN_R: R2B21.2 U2A5.W33 | length 487.4
  TOP w4: 21926,16822 21926,16768.13 21924,16766.13 21924,16755.33 21926.85,16750.7 21930.05,16746.7 U2A5.W33@21935,16730.74
  TOP w4.2: R2B21.2@21786,17151 21794.7,17142.3 21804.4,17142.3 21822,17124.7 21822,16926 21926,16822
CLN_SD_CD_N: R2L5.1 U2A5.E19 | length 824.7
  TOP w4: U2A5.E19@21709.8,16521 v1(21709.8,16537)
  BOTTOM w4.2: R2L5.1@21147,16073 21216,16142 21338,16142 21441.4,16245.4 21441.4,16303.29 21482.51,16344.4 21516.22,16344.4 21651,16479.18 21651,16513 21675,16537 v1(21709.8,16537)